# KiCad board Mynd_Main.kicad_pcb (continued)
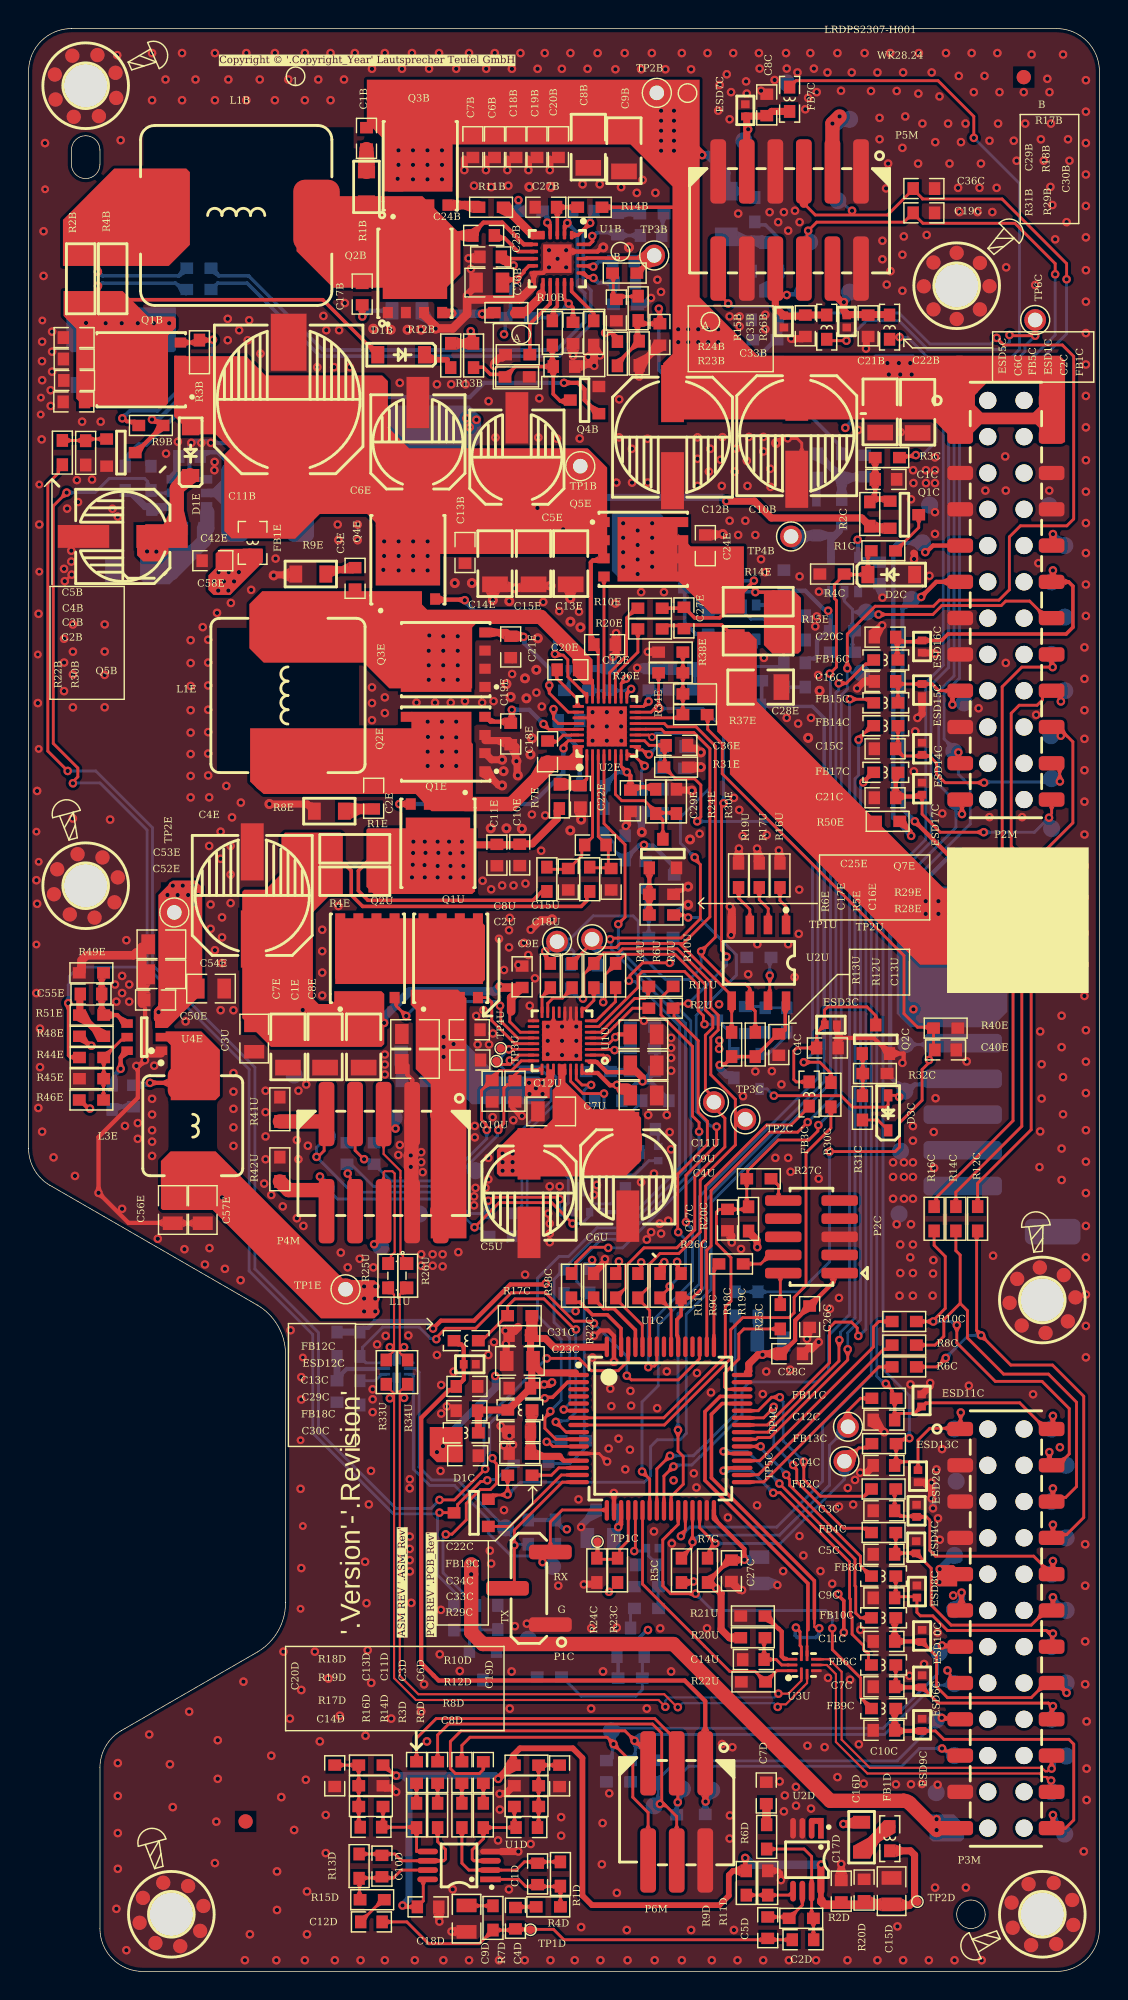
[diagram p0: board, top side]
## Routing (per net, layer and track width the routed paths; a pad name or vN(x,y) marks a point on that pad's centre or on a via; arc(x,y) is an arc through that point) (continued)
\ACOK: length 58.9
  Component Side w0.2: U2E.4 40.3,80.35 41.78,78.88 41.78,73.8 41.52,73.54 41.52,73.53 v1(41.3,73.31)
  Solder Side w0.2: v1(41.3,73.31) 41.31,73.3 41.31,71.61 46.38,66.53 46.38,55.96 41.67,51.25 40.1,51.25 38.4,49.55 38.4,48.28 38.89,47.79 38.89,46.5 38.92,46.47 38.92,37.23 R35C.1 38.92,37.07 38.92,36.57 37.9,35.55 D4C.A
\Amp_PDN_1: length 51.8
  Component Side w0.2: v1(58.46,83.23) 58.46,83.26 59.14,83.94 FB17C.1 ; v1(57.37,43.55) 57.37,42.81 51.93,37.37 51.07,37.37 50.95,37.25 U1C.39 ; 59.21,83.94 59.37,83.78
  Solder Side w0.2: v1(57.37,43.55) 57.37,44.71 58.26,45.6 58.26,82.93 58.46,83.13 v1(58.46,83.23)
\Amp_SwFlt_1: length 54.5
  Component Side w0.2: U1C.50 47.5,50.48 47.8,50.78 47.8,54.65 51.9,58.75 53.86,58.75 v1(54.56,59.45) ; 59.1,91.8 59.1,91.78 58.84,91.51 58.61,91.51 57.27,90.17 v1(56.74,90.17)
  Solder Side w0.2: v1(56.74,90.17) 56.74,89.7 56.54,89.5 56.54,61.43 v1(54.56,59.45)
\Amp_TwFlt_1: length 54.3
  Component Side w0.2: v1(56.79,44.19) 56.76,44.17 56.76,42.73 51.78,37.75 49.95,37.75 ; v1(58.13,86.22) 58.13,86.28 59.05,87.2 59.1,87.2
  Solder Side w0.2: v1(56.79,44.19) 56.86,44.27 56.86,44.74 57.88,45.76 57.88,83.48 58.13,83.73 v1(58.13,86.22)
\BT_RST: length 18
  Component Side w0.2: v1(72.7,19.5) 72.7,19.52 72.03,20.19 P3M.16 71.25,20.19 70.23,19.16 64.36,19.16 63.59,19.93 63.59,22.04 62.78,22.86 62.78,22.88 62.6,23.06 ESD10C.2
  Component Side w0.3: ESD10C.2 62.53,23.1 C11C.1 60.66,24.68 FB10C.2
  Solder Side w0.2: v1(72.7,19.5) 72.68,19.52 72.68,20.17 TP24M.1
\BTRST: length 18.7
  Component Side w0.2: v1(52.58,34.15) 57.88,28.85 57.88,26.99 57.93,26.94 57.93,25.08 58.26,24.75 FB10C.1 ; 49.95,36.25 48.83,36.25 v1(48.68,36.4)
  Solder Side w0.2: v1(52.58,34.15) 50.33,36.4 v1(48.68,36.4)
\P_Btn: length 7.5
  Component Side w0.5: 57.35,115.97 60.27,115.97 ; v1(57.1,116.85) 57.1,116.24 57.25,116.09 57.25,115.95 57.28,115.93 ESD1C.1 ; P5M.4 56.3,117.51 57.03,116.78
  Solder Side w0.5: v1(57.1,116.85) 57.1,116.88 57.31,117.09 57.31,117.17 57.5,117.36 TP50M.1
\P_Btn_1: length 12.4
  Component Side w0.2: v1(62.14,106.14) 62.05,106.05 61.08,106.05 ; v1(61,114.4) 60.45,114.4 60.3,114.55
  Solder Side w0.2: v1(61,114.4) 61.01,114.39 61.56,114.39 63.55,112.4 63.55,107.08 62.61,106.14 v1(62.14,106.14)
\PD_INT: length 58
  Component Side w0.2: 44.13,90.85 44.13,88.68 43.86,88.41 ; v1(44.9,47.95) 44.9,47.88 44.22,47.2 44.22,47.1 45,46.32 U1C.55 ; 43.86,88.41 43.6,88.15 U2E.15 ; 43.86,88.41 44.16,88.41 v1(44.18,88.4) ; v1(45.5,51.75) 45.46,51.79 45.46,55.81 47.54,57.89 47.54,59.51 46.9,60.15 46.9,65.15 45.21,66.84 45.21,67.36 R2U.1 45.44,67.73 46.18,67.73 v1(46.2,67.75) ; v1(48.68,81.78) 48.68,81.67 48.54,81.52 48.54,71.48 48.88,71.14 v1(48.88,71.03)
  Solder Side w0.2: v1(44.9,47.95) 46,49.05 46,51.25 v1(45.5,51.75) ; v1(46.2,67.75) 48.88,70.43 v1(48.88,71.03) ; v1(48.68,81.78) 48.68,86.96 47.24,88.4 v1(44.18,88.4)
\Plug_Det: length 54.5
  Component Side w0.3: 30.05,44.2 30.05,43.95 30.1,43.9 30.3,43.9 30.48,43.72 30.48,41.43 30.3,41.25 30.1,41.25 29.95,41.1 29.95,40.7 29.45,40.7 27.5,38.75 27.5,21.59 28.72,20.36 45.95,20.36 47.39,18.92 P6M.1 47.39,11.92 v1(47.42,11.89)
  Solder Side w0.3: C18C.1 47.39,11.87 v1(47.42,11.89) 47.84,12.32 TP62M.1
\Plug_Det_1: length 18.4
  Component Side w0.2: U1C.9 37.64,37.75 v1(36.92,38.47) ; 31.75,44.2 31.8,44.2 33.2,45.6 33.5,45.9 R17C.2 33.55,46.57 34.06,47.08 36.1,47.08 38.24,44.94 v1(38.34,44.94)
  Solder Side w0.2: v1(36.92,38.47) 37,38.55 37.71,38.55 38.32,39.15 38.32,44.92 v1(38.34,44.94)
\PRHOT: length 67.6
  Component Side w0.2: v6(43.67,86.4) 43.58,86.4 43.43,86.55 U2E.11 ; v1(40.73,72.25) 40.8,72.33 41.27,72.33 41.28,72.34 45.7,72.34 47.05,73.69 47.05,77.48 46.65,77.88 v1(46.65,77.98) ; v1(37.48,39.33) 37.54,39.27 38.51,39.27 U1C.6
  Solder Side w0.2: v6(43.67,86.4) 43.94,86.66 46.65,86.66 47.71,85.6 47.71,82.85 45.65,80.78 45.65,78.98 v1(46.65,77.98) ; v1(37.48,39.33) 37.48,39.34 37.9,39.76 37.9,44.35 36.8,45.45 36.8,48.45 37.15,48.8 37.2,48.8 37.5,49.1 R15C.2 ; 37.5,49.2 37.8,49.5 37.81,49.5 39.96,51.65 41.54,51.65 46,56.11 46,66.38 40.8,71.57 40.8,72.17 v1(40.73,72.25)
\UI_Int: length 7.4
  Component Side w0.2: v1(53.1,117.35) 52.74,117.35 52.3,117.79
  Component Side w0.5: 52.95,115.88 54.33,115.88 C6C.1 54.4,115.95 55.9,115.95 FB5C.2 ; 52.9,115.95 52.95,115.9 52.9,115.9 52.3,116.5 52.3,117.79
  Solder Side w0.2: 54.08,117.43 TP61M.1
  Solder Side w0.3: v1(53.1,117.35) 53.16,117.41 54.06,117.41 54.08,117.43
\UI_Int_1: length 119.6
  Component Side w0.2: v1(57.28,114.15) 56,114.15 FB5C.1 ; v1(70.5,114.5) 68.75,114.5 v1(68.7,114.55) ; 46,32.3 46,30.89 45.69,30.58 v1(45.69,30.47)
  Solder Side w0.2: 70.4,115.8 70.6,116 ; v1(45.69,30.47) 46.32,31.1 52.4,31.1 55.61,34.32 55.61,38.31 59.02,41.72 59.02,74.89 63.21,79.08 63.21,90.05 64.44,91.28 64.44,110.86 66.09,112.51 68.9,112.51 69.78,113.39 69.78,113.78 v1(70.5,114.5) TP6C.1 ; v1(57.28,114.15) 58.68,115.55 60.96,115.55 62.97,113.54 68.19,113.54 68.7,114.05 v1(68.7,114.55)
\UI_Rst: length 7.2
  Component Side w0.5: P5M.9 50.3,129.75 50.25,129.8 50.25,129.82 50.23,129.85 ESD7C.2 50.23,129.87 51.67,129.87 C8C.1 51.75,129.9 52.04,130.2 FB7C.2
  vias: v1(50.4,128.95)
\UI_Rst_1: length 120.5
  Component Side w0.2: v1(66.2,128.35) 66.2,129.85 63.7,132.35 53.75,132.35 53.65,132.25 53.6,132.25 53.3,131.95 FB7C.1 ; U1C.41 51.74,38.25 56.1,42.61 56.1,45.07 56.48,45.45 57.63,45.45 58.04,45.05 58.04,44.56 v1(58.11,44.49)
  Solder Side w0.2: v1(58.11,44.49) 58.18,44.49 58.64,44.95 58.64,75.05 62.83,79.24 62.83,90.21 64.06,91.44 64.06,111.11 65.9,112.95 68.8,112.95 69.4,113.55 69.4,125.15 v1(66.2,128.35)
Amp_BCLK: length 42
  Component Side w0.2: v1(72.3,88.9) 72.25,88.95 72.25,89.45 72.09,89.61 ; R14C.2 64.95,54.55 69.56,59.16 69.56,78.03 68.82,78.77 68.82,88.07 69.38,88.63 70.63,88.63 71.01,89.01 71.01,89.26 71.4,89.65 P2M.18
  Solder Side w0.2: TP41M.1 72.38,89.46 72.38,89.09 72.3,89.01 v1(72.3,88.9)
Amp_DATA: length 44.6
  Component Side w0.2: 63.72,53.37 63.72,53.23 R16C.2 63.57,53.68 63.57,54.17 68.95,59.55 68.95,77.57 68.19,78.33 68.19,89.92 69.56,91.3 v1(71.72,91.3) 71.65,91.37 P2M.16
Amp_LRCK: length 38.7
  Component Side w0.2: R12C.2 66.47,55.17 70.22,58.92 70.22,77.48 73.14,80.4 73.14,86.07 72.25,86.96 ; 72.25,86.96 72.25,86.96 72.25,86.55 v1(72.29,86.5) ; 72.25,86.96 72.02,87.19 ; P2M.20 71.89,87.11 72,87.22
  Solder Side w0.2: v1(72.29,86.5) 71.96,86.5 71.65,86.19 71.54,86.3
Amp_Ver: length 8.2
  Component Side w0.2: C16C.1 60.92,90.12 ESD15C.2 63.3,90.12 63.77,89.65 P2M.17 ; v1(64.7,88.67) 64.7,89.26 64.67,89.26 65.05,89.65 ; FB15C.2 60.89,90.15
  Solder Side w0.2: v1(64.7,88.67) 64.77,88.74 65.46,88.74 TP40M.1
Amp_Ver1: length 67.3
  Component Side w0.2: v1(45.17,35.34) 44.5,34.68 44.5,32.3 ; v1(57.52,89.06) 58.9,89.06 59.15,88.8
  Solder Side w0.2: v1(57.52,89.06) 57.5,89.04 57.5,45.98 56.02,44.5 56.02,42.07 55.22,41.27 50.51,41.27 49.97,40.72 49.97,38.94 47.07,36.04 47.04,36.04 46.45,35.45 45.27,35.45 v1(45.17,35.34)
BatVCC: length 27.9
  Component Side w0.3: R50E.2 61.07,80.51 61.76,79.81 61.76,79.55 v1(61.82,79.49) ; P2M.9 63.34,99.81 62.88,99.35 v1(62.8,99.35)
  Solder Side w0.3: 62.85,100.36 62.8,100.31 v1(62.8,99.35) ; TP25M.1 60.88,100 60.57,99.68 60.57,80.74 v1(61.82,79.49)
BT_BCLK: length 32.1
  Component Side w0.2: 71.74,32.98 v1(71.74,33.81) ; R14C.1 64.95,50.45 65.25,50.15 65.25,46.76 ; 71.74,32.89 72.03,33.18 72.64,33.18 73.39,33.94 73.39,39.85 71.43,41.81 68.29,41.81 65.75,44.35 65.75,46.26 65.25,46.76 ; 65.25,46.76 64.1,45.62 64.1,44.46 63.49,43.84 R8C.2
  Solder Side w0.2: P3M.6 71.7,32.94 71.7,33.76 v1(71.74,33.81)
BT_Ctrl_Pwr: length 16.9
  Component Side w0.2: 60.73,26.23 60.74,26.23 62.22,26.23 ; 60.73,26.23 C9C.1 ; 60.73,26.23 FB8C.2 ; v1(71.74,23.65) 71.74,22.82 P3M.14 71.65,23.49 71.27,23.86 64.36,23.86 63.33,24.89 62.46,24.89 62.22,25.13 ESD8C.2
  Solder Side w0.2: P3M.14 71.7,22.78 71.7,23.6 v1(71.74,23.65)
BT_Ctrl_Vreg: length 14.9
  Component Side w0.2: ESD6C.2 62.6,19.88 63.7,18.78 71.42,18.78 71.63,18.57 v1(71.74,18.57) ; P3M.18 71.65,18.35 ; C7C.1 60.73,20 FB6C.2
  Component Side w0.3: C7C.1 60.7,19.88 ESD6C.2
  Solder Side w0.2: v1(71.74,18.57) 71.7,18.52 71.7,17.7 P3M.18
BT_CtrlPwr: length 13.6
  Component Side w0.2: v1(53.06,34.76) 53.06,34.68 53.3,34.45 53.3,34.03 58.26,29.07 58.26,28.4 58.98,27.67 FB8C.1 ; U1C.38 v1(51.27,36.75)
  Solder Side w0.2: v1(51.27,36.75) 51.27,36.64 51.43,36.48 51.43,36.46 53.06,34.83 v1(53.06,34.76)
BT_CtrlVreg: length 20.5
  Component Side w0.2: 49.95,35.25 48.88,35.25 v1(48.68,35.05) ; v1(52.15,33.5) 52.17,33.51 52.65,33.51 57.5,28.66 57.5,26.12 57.55,26.07 57.55,24.92 57.68,24.8 57.68,23.61 58.48,22.81 58.48,22.54 58.64,22.37 58.7,22.37 58.82,22.25 58.82,21.6
  Solder Side w0.2: v1(52.15,33.5) 50.6,35.05 v1(48.68,35.05)
BT_DATA: length 28.9
  Component Side w0.2: R10C.2 v1(63.36,45.49) 63.36,45.57 64.2,46.41 64.2,50.05 63.42,50.83 R16C.1 ; v1(71.49,36.35) 71.49,35.59 P3M.4 71.88,35.66 72.32,35.66 72.89,36.22 72.89,39.4 70.98,41.3 67.71,41.3 65.01,44 v1(65.01,45.24)
  Solder Side w0.2: v1(63.36,45.49) 64.65,45.49 64.9,45.24 v1(65.01,45.24) ; 73.07,35.43 72.06,35.43 71.56,35.93 71.56,36.27 v1(71.49,36.35)
BT_LRCK: length 35.4
  Component Side w0.2: 66.77,44.53 66.77,44.47 68.79,42.45 71.71,42.45 73.9,40.26 73.9,31.78 72.7,30.58 72.15,30.58 71.79,30.21 P3M.8 71.74,30.44 v1(71.74,31.27) ; 66.4,51.77 66.4,44.86 66.71,44.55 v1(66.71,44.53) ; v1(64.23,42.94) 63.61,42.32 R6C.2
  Solder Side w0.2: v1(71.74,31.27) 71.7,31.22 71.7,30.6 72.1,30.2 ; v1(64.23,42.94) 65.82,44.53 v1(66.71,44.53)
BT_Ver: length 24.2
  Component Side w0.2: v1(71.74,10.95) 71.74,10.12 P3M.24 71.66,10.02 72.62,10.02 73.2,10.6 73.2,15.91 72.87,16.24 64.1,16.24 63.51,16.84 ESD9C.2
  Component Side w0.3: FB9C.2 60.66,18.33 C10C.1 60.7,16.84 ESD9C.2
  Solder Side w0.2: v1(71.74,10.95) 71.74,10.86 72.38,10.22 72.38,9.81 TP39M.1
BT_Ver1: length 26.1
  Component Side w0.2: v1(56.29,24.02) 56.29,22.53 58.28,20.54 58.28,19.16 58.68,18.75 58.68,18.7 58.98,18.4 FB9C.1 ; U1C.27 45.5,31.3 44.42,30.21 44.42,26.99 44.97,26.44 v1(46.72,26.44)
  Solder Side w0.2: v1(56.29,24.02) 56.29,24.81 55.84,25.26 47.9,25.26 v1(46.72,26.44)
BVcc: length 22.1
  Component Side w0.25: R31B.1 41.24,114.29 40.84,114.69 v1(40.38,114.69) ; U1B.9 35.05,119.39 34.69,119.03 34.69,118.94 v1(34.17,118.42) 33.37,118.42 33.17,118.22
  Mid Layer 2 w0.25: v1(33.3,114.6) 33.36,114.66 40.25,114.66 40.28,114.69 ; v1(34.17,118.42) 34.26,118.42 34.62,118.77 34.64,118.77 34.82,118.95 34.82,123.49 v1(34.31,123.99)
  Solder Side w0.25: v1(33.3,114.6) 33.38,114.68 33.38,115.77 33.48,115.77 33.76,116.04 33.76,117.91 34.17,118.32 v1(34.17,118.42) ; R20B.1 v1(34.31,123.99)
C_Open: length 60
  Component Side w0.2: v1(52.2,61.3) 56.9,61.3 57.7,60.5 60.04,60.5 60.2,60.66 D3C.A 61.14,61.33 61.17,61.3
  Component Side w0.3: v1(62.07,80.51) 64.36,78.22 v1(65.12,78.22) ; P2M.11 63.57,97.27 v1(62.51,96.21) 62.47,96.17
  Solder Side w0.2: v1(60.97,61.22) TP4M.1 ; P1M.4 64.24,62.48 63.99,62.24 ; v1(52.2,61.3) 51.72,61.78 D1U.A
  Solder Side w0.3: P1M.4 65.03,62.09 62.06,62.09 61.77,61.8 61.69,61.8 ; TP4M.1 60.34,62.64 60.34,73.91 64.65,78.22 v1(65.12,78.22) ; TP29M.1 61.2,95.41 61.2,81.38 v1(62.07,80.51)
COpen: length 22.2
  Component Side w0.2: R19C.2 46.49,47.15 47.12,47.78 47.12,50.97 47.42,51.27 47.42,54.97 51.7,59.25 53.4,59.25 54.67,60.52 FB3C.1
  Component Side w0.25: 45.7,47.15 45.7,45.93 45.41,45.63 45.41,44.54 45.46,44.49 45.46,44.36 45.5,44.31 U1C.54
COpen2: length 16.8
  Component Side w0.2: U1U.7 39.94,66.14 42.68,68.88 42.68,69.68 43,70 45.94,70 46.9,69.04 46.9,67.27 47.26,66.9 47.26,66.38 v1(47.34,66.3)
  Solder Side w0.2: R27U.1 49.1,64.55 49.1,64.8 49.1,65.75 48.25,66.6 Q3U.D 47.9,66.3 v1(47.34,66.3)
Ena_3V3_STB: length 121
  Component Side w0.2: v1(32.13,34.38) 32.05,34.3 31.67,34.3 30.05,32.68 30.05,32.35 D1C.3 29.78,32.12 v1(28.78,32.12) ; 3.56,64 2.9,64 2.78,64.12 v1(2.78,67.78) ; v1(3.11,83.17) 3.11,83.28 3.45,83.62 3.45,84.24 1.73,85.96 1.73,102.58 v1(2.67,103.52)
  Solder Side w0.2: U3E.5 8.82,103.49 8.34,103.97 8.34,104.3 8.12,104.51 5.65,104.51 4.66,103.52 v1(2.67,103.52) ; v1(3.11,83.17) 3.13,83.2 5,83.2 8.3,79.9 8.3,70.3 ; 8.3,70.3 15.45,63.15 15.45,49.03 19.9,44.59 19.9,37.69 25.56,32.03 28.59,32.03 28.67,32.12 v1(28.78,32.12) 28.64,31.98 28.64,27.75 30,26.39 30,25.81 R40C.1 ; 8.3,70.3 3.5,70.3 2.86,69.66 2.86,69.13 2.78,69.06 v1(2.78,67.78) ; v1(32.13,34.38) 32.18,34.43 32.73,34.43 33.85,35.55 D4C.K
Ena_BatADC: length 23.2
  Component Side w0.2: v1(29.22,30.59) 29.23,30.61 29.65,30.61 30.65,31.61 30.65,32.75 31.63,33.73 32.34,33.73 32.77,34.15 32.77,35.53 32.48,35.82 v1(32.48,35.93)
  Component Side w0.25: v1(36.15,40.12) 36.21,40.19 36.7,40.19 37.75,41.24 38.52,41.24 U1C.2
  Solder Side w0.2: v1(29.22,30.59) 29.22,30.48 29.03,30.29 29.03,27.9 30.97,25.96 31.02,25.96 31.32,25.66 R39C.1 ; v1(36.15,40.12) 34.07,40.12 32.3,38.35 32.3,36.22
Env_Track: length 19.2
  Component Side w0.2: P2M.14 71.31,94.73 70.11,95.92 68.43,95.92 68.12,95.61 63.96,95.61 63.33,94.98 v1(59.53,94.98)
  Solder Side w0.2: 57.7,92.43 57.7,95.15 ; 57.7,95.15 57.7,95.35 57.13,95.93 57.13,96.78 ; 57.7,95.15 TP34M.1 ; 58.86,94.98 v1(59.53,94.98)
Hold_ON: length 7.8
  Component Side w0.2: U1C.15 37.31,34.75 36.72,34.15 33.71,31.15 D1C.1
HW_REV: length 6.3
  Component Side w0.2: TP1C.1 39.85,28.88 39.88,28.85 41.25,28.85 ; R23C.2 41.4,29.08 41.4,29.56 42,30.16 U1C.20
I2C1_SCL: length 44.2
  Component Side w0.2: v1(38.83,68.1) 38.89,68.16 38.89,69.81 39.59,70.51 R7U.1 39.59,70.61 40.27,71.29 41.31,71.29 41.6,71.58 45.43,71.58 47.78,69.23 47.78,67.46 48.3,66.94 48.3,65.9 47.78,65.38 47.78,62.77 49.5,61.05 49.5,57.85 47.04,55.39 47.04,51.75 45.54,50.25 44.22,50.25 43.48,49.51 43.48,47.96 R9C.2 42.67,47.1 43.5,46.27 U1C.58
  Solder Side w0.2: v1(38.83,68.1) 38.75,68.17 38.51,68.17 37.96,68.72 R23U.1
I2C1_SDA: length 42.9
  Component Side w0.2: v1(40.25,67.85) 40.32,67.92 40.32,68.11 40.37,68.16 40.37,69.77 41.11,70.51 R10U.1 41.75,71.2 45.27,71.2 47.4,69.07 47.4,67.3 47.92,66.78 47.92,66.06 47.4,65.54 47.4,61.75 47.73,61.42 47.73,61.03 ; U1C.59 42.98,43.74 42.98,45.24 41.12,47.1 R11C.2 41.83,47.85 41.83,49.37 43.1,50.65 45.4,50.65 46.66,51.91 46.66,55.61 48.77,57.72 48.77,59.72 48,60.49 TP3C.1
  Solder Side w0.2: R24U.1 40.14,68.43 40.14,68.06 40.25,67.95 v1(40.25,67.85)
intBat: length 73.7
  Component Side w0.25: 48.88,93.12 48.88,93.37 ; 44.64,94.22 45.59,94.22 45.62,94.25 48.55,94.25 49.5,93.3 R15E.1 ; v1(56.72,26.43) 56.72,26.33 57.1,25.95 v1(57.1,23.73)
  Mid Layer 2 w0.25: v1(62.83,74.03) v1(63.72,74.03) ; v1(61.97,67.35) 62.46,66.86 62.46,59.5 62.54,59.42 62.54,30.7 58.26,26.43 v1(56.72,26.43) ; v1(43.38,23.9) 44.33,22.95 56.21,22.95 57,23.73 v1(57.1,23.73)
  Solder Side w0.25: v1(43.38,23.9) 43.3,23.9 42.69,23.28 41.66,23.28 41.21,22.83 Q3C.S 41.29,21.96 R36C.2 41.24,20.53 40.97,20.81
  vias: v1(62.83,74.92) v1(63.72,74.92) v1(64.48,74.92) v1(64.48,74.03) v1(65.25,74.92) v1(65.25,74.03) v1(66.01,74.92) v1(66.01,74.03) v1(66.77,74.92) v1(66.77,74.03)
LDO_1V5: length 3.1
  Component Side w0.2: U1U.4 40.64,64.94 v1(41.1,65.4)
  Component Side w0.3: 42.16,65.59 41.29,65.59 v1(41.1,65.4)
LDO_3V3: length 63.3
  Component Side w0.2: 39.28,63.66 U1U.1
  Component Side w0.25: 53,67.82 53,65.91 52.45,65.36 52.21,65.36 51.22,64.36 51.17,64.36 50.89,64.09 R12U.2 49.24,64.04 49.24,64.03 ; v1(48.4,63.45) 48.47,63.52 48.77,63.52 49.24,63.98 R13U.2
  Component Side w0.3: v1(28.33,45) 28.88,45.55 31.2,45.55 33.74,48.09 36.16,48.09 v1(36.22,48.14) ; C9U.2 42.14,63.27 41.82,62.95 40.5,62.95 39.79,63.66 39.28,63.66
  Component Side w0.5: v1(43,62.3) 42.98,62.32 42.98,62.58 C9U.2
  Mid Layer 2 w0.3: v1(36.22,48.14) 39.14,51.07 ; 39.14,51.07 39.42,51.34 ; 39.14,51.07 39.44,51.07 ; 39.42,51.34 39.46,51.3 39.46,49.81 v1(39.47,49.8) ; 39.42,51.34 42,53.92 42,60.3 43,61.3 43,62.3 v1(43,62.3)
  Mid Layer 2 w0.5: 43,62.3 v1(43,62.3) 47.25,62.3 v1(48.4,63.45)
  Solder Side w0.3: 23.2,44.8 23.45,45.05 23.78,45.05 24.26,45.53 27.79,45.53 v1(28.32,45) ; v1(43,62.3) 42.95,62.25 42.62,62.25 41.8,61.43 41.8,61.2 Q5U.S ; R13C.1 39.41,49.31 39.41,49.74 v1(39.47,49.8) ; 43.06,62.25 43.6,62.25 44.85,61 Q4U.S ; 43.95,63 43.95,64.6
  Solder Side w0.5: v1(43,62.3) 43.02,62.32 43.12,62.32 43.8,63 R5U.1 43.95,63 ; R28U.1 23.15,44.75 23.2,44.8 ; R27U.2 49.4,62.6 49.25,62.75 48.88,62.75 48.42,63.21 48.42,63.43 v1(48.4,63.45)
Line_L_N: length 47.9
  Component Side w0.2: C6D.2 31.85,14.13 31.58,13.85 29.89,13.85 29.54,14.2 29.54,16.09 30.29,16.84 41.77,16.84 43.39,15.22 P6M.5 ; P3M.15 64.93,20.19 64.54,20.58 64.54,20.78
  Solder Side w0.2: 42.49,14.92 42.49,16.02 42.79,16.32 ; 42.97,16.59 59.96,16.59 63.4,20.03 64.74,20.03 TP23M.1 64.85,20.41 64.56,20.7 64.56,20.76 64.36,20.96 v1(64.36,21.07) ; v1(42.44,16.14) 42.69,16.39
Line_L_P: length 51.7
  Component Side w0.2: C3D.2 30.35,15.83 30.92,16.39 40.52,16.39 40.97,15.94 v1(40.97,15.92) 42.32,14.57 42.32,12.19 43.39,11.12 P6M.6 ; v1(63.97,22.82) 64.01,22.77 65.21,22.77 P3M.13
  Solder Side w0.2: v1(40.97,15.92) 40.97,16.7 41.28,17.02 41.52,17.02 59.85,17.02 63.65,20.83 63.65,21.97 63.97,22.28 v1(63.97,22.82) ; v1(40.97,15.92) 40.89,15.84 40.89,14.92 ; v1(40.97,15.92) 40.89,15.99 40.89,16.47 ; TP67M.1 40.89,16.77
Line_R_N: length 49.8
  Component Side w0.2: P3M.19 64.94,15.42 64.27,15.42 64.08,15.61 v1(63.98,15.61) ; C13D.2 27.17,16.33 28.55,17.7 43.85,17.7 44.86,16.7 44.87,16.7 45.47,16.1 v1(45.47,11.84)
  Solder Side w0.2: TP64M.1 45.79,13.92 46.24,14.36 61.15,14.36 62.39,15.61 v1(63.98,15.61) ; TP31M.1 64.58,15.11 64.08,15.61 ; C24D.1 45.39,11.77 v1(45.47,11.84) 45.47,11.99 46.02,12.54
Line_R_P: length 52.3
  Component Side w0.2: C11D.2 28.65,16.55 29.42,17.32 43.7,17.32 44.34,16.67 44.34,11.94 44.32,11.92 45.39,10.84 P6M.4 ; v1(63.96,17.75) 64.01,17.7 65.2,17.7 P3M.17
  Solder Side w0.2: C23D.1 43.92,13.27 44.22,13.57 45.39,14.74 60.84,14.74 63.85,17.75 v1(63.96,17.75) ; 44.09,13.17 44.09,11.84 v1(44.22,11.72)
M_DET: length 26.6
  Component Side w0.2: v1(46.96,58.79) 46.96,59.42 46.5,59.88 46.5,64.75 44.29,66.96 44.29,68.15 45.09,68.95 R11U.2 ; v1(40.6,50.65) 40.56,50.69 39.39,50.69 38.33,49.62 38.33,49.15 R28C.2
  Solder Side w0.2: 40.61,50.65 41.61,50.65 46.96,56 v1(46.96,58.79)
MCU_RST: length 132.2
  Component Side w0.2: v1(57.34,91.22) 57.34,93.62 59.29,95.56 63.38,95.56 63.8,95.99 67.96,95.99 68.69,96.72 68.69,100.42 69.47,101.19 72.72,101.19 73.2,101.67 73.2,113.05 72.4,113.85 68.3,113.85 v1(67.8,114.35) ; P5M.12 48.42,119.08 48.42,117.35 49,116.77 v1(49,116.75) ; U1C.7 44.49,38.75 48.8,43.06 48.8,46.52 49.19,46.92 49.19,49.97 48.18,50.98 48.18,53.16 48.37,53.35 C17C.1 50.24,53.35 R20C.1 50.3,53.65 R27C.1 50.37,55.56 50.37,56.07 52.5,58.2 54.65,58.2 55.28,58.83 55.28,59.21 v1(55.32,59.24)
  Solder Side w0.2: v1(67.8,114.35) 67.37,113.92 63.13,113.92 60.96,116.09 53.55,116.09 53.09,116.55 49.31,116.55 49.11,116.75 v1(49,116.75) ; v1(55.32,59.24) 56.92,60.85 56.92,89.34 57.34,89.76 v1(57.34,91.22) 57.67,90.89 TP68M.1
MCU_RX: length 17.4
  Component Side w0.2: 62.19,31.87 61.04,31.87 C3C.1 60.66,33.69 ; v1(71.74,28.73) 71.74,27.9 P3M.10 70.39,29.07 63.52,29.07 63.12,29.47 63.12,31.59 62.89,31.82 ESD2C.2
  Solder Side w0.2: v1(71.74,28.73) 71.7,28.68 71.7,27.86 P3M.10
MCU_TX: length 19.2
  Component Side w0.2: 60.73,29.28 FB4C.2 ; 60.73,29.28 60.74,29.28 62.17,29.28 ; 60.73,29.28 C5C.1 ; v1(71.74,26.19) 71.74,25.36 P3M.12 71.25,25.27 70.22,24.24 64.61,24.24 63.22,25.64 63.22,28.22 ESD4C.2
  Solder Side w0.2: 73.07,25.27 72.88,25.46 72.47,25.46 v1(71.74,26.19)
MCU_WkUp: length 86.6
  Component Side w0.2: R29C.2 33.55,34.72 v1(33.55,33.38) 33.52,33.35 32.5,33.35 D1C.2 ; R4C.2 57.16,97.78 D2C.K 58.78,99.21 R1C.1 ; v1(56.12,90.84) 56.58,91.31 56.58,95.97 56.43,96.11 56.43,97.07 57.14,97.78 57.14,97.78
  Solder Side w0.2: v1(33.55,33.38) 33.59,33.38 34.45,34.24 43.12,34.24 43.57,34.69 43.57,36.74 44.04,37.22 45.62,37.22 46.06,37.66 46.06,46.02 47.8,47.75 47.8,53.82 56.16,62.18 56.16,90.8 v1(56.12,90.84)
NetC1B_2: length 1.6
  Component Side w1: R1B.2 C1B.2
NetC1C_1: length 4.1
  Component Side w0.3: R3C.1 59.29,104.45 C1C.1 59.3,103.08 60.02,103.08 60.22,102.89 60.22,102.87 60.29,102.87 Q1C.G
NetC1D_1: length 5.8
  Component Side w0.2: 33.12,6.45 34.33,6.45 34.83,5.95 37.23,5.95 37.25,5.97 R4D.2
NetC1D_2: length 10.4
  Component Side w0.2: 31.78,7.1 U1D.2 ; 31.78,7.1 U1D.2 ; 31.78,7.1 30.83,7.1 30.35,7.58 30.35,10.07 ; U1D.2 34.15,7.1 34.73,7.67 37.25,7.67
NetC1U_2: length 1.8
  Solder Side w0.5: R1U.2 26.12,62.33 26.12,64.09 C1U.2
NetC2B_2: length 40.5
  Component Side w0.25: C5B.1 4.8,114.37 Q1B.5 ; C5B.1 3.92,114.35 C2B.2 ; C5B.1 4.03,114.46 v1(4.03,115.39) ; 4.75,117.08 4.89,117.23 4.86,117.26 v1(4.86,117.98) ; D1B.A 20.61,117.02 5.47,117.02 ; 4.19,111.43 4.19,114.35 ; v1(8.78,115.38) v1(9.85,115.38) ; 4.2,109.95 4.2,111.43
  Solder Side w0.25: 11.08,117.45 11.03,117.45 10.29,118.18 5.16,118.18 4.96,117.98 v1(4.86,117.98)
  vias: v1(5.4,115.38) v1(6.53,115.38) v1(7.65,115.38)
NetC2D_1: length 9.3
  Component Side w0.2: R6D.1 54.32,8.57 54.84,8.04 U2D.7 54.84,3.84 R2D.2 54.97,2.24 C2D.1
NetC2D_2: length 30
  Component Side w0.2: 51.77,2.22 37.49,2.22 36.77,2.95 34.13,2.95 34.08,2.9 R7D.1 31.57,1.94 28.02,1.94 26.49,3.47 C12D.1 ; 51.82,2.22 C2D.2
NetC2E_1: length 2.1
  Component Side w0.7: R8E.1 22.12,81.27 22.22,81.37 C2E.1
NetC2E_2: length 10.3
  Component Side w0.2: 38.2,84.6 38.5,84.9 U2E.32
  Component Side w1: Q1E.1 33.82,81.72 36.35,84.25 C18E.1 ; 36.35,84.6 38.2,84.6
  vias: v1(27.95,87.48) v1(27.97,86.42) v1(27.95,85.38) v1(27.95,84.38) v1(28.95,87.48) v1(28.95,86.38) v1(28.95,85.38) v1(28.95,84.38) v1(29.95,87.48) v1(29.95,86.38) v1(29.95,85.38) v1(29.95,84.38)
NetC3D_1: length 1.4
  Component Side w0.2: 30.35,11.77 30.35,13.12
NetC3E_1: length 2.3
  Component Side w0.5: R9E.1 20.82,97.92 21.02,98.12 22.72,98.12 C3E.1
NetC3E_2: length 28.5
  Component Side w0.2: 38.57,91.12 38.57,91.74 ; U2E.23 39.5,90.37 38.87,91
  Component Side w0.5: 26.55,93.11 26.37,92.93 19.74,92.93 ; 25.76,96.2 27.03,96.2
  Component Side w0.7: 28.66,92.48 28.31,92.13 26.84,92.13
  Component Side w1: 30.48,93.63 26.97,93.63 ; 27.62,93.67 27.06,93.11 26.55,93.11 ; 30.36,93.26 30.52,93.42 30.52,94.23 31.1,94.82 35.87,94.82 38.57,92.12 38.57,91.74
  vias: v1(28.03,92.45) v1(28.03,91.43) v1(28.03,90.41) v1(28.07,93.52) v1(29.04,93.46) v1(29.04,92.45) v1(29.04,91.43) v1(29.04,90.41) v1(30.06,93.46) v1(30.06,92.45) v1(30.06,91.43) v1(30.06,90.41)
NetC4C_1: length 12.3
  Component Side w0.2: FB3C.2 53.76,62.27 53.59,62.43 53.59,64.44 53.79,64.64 C4C.1 55.2,65.7 ESD3C.2 55.74,66.29 55.74,67.29 55.97,67.52 58.72,67.52 59.34,66.9 Q2C.D
NetC4D_2: length 1.5
  Component Side w0.2: 34.1,4.52 R4D.1
NetC5D_1: length 3.8
  Component Side w0.2: U2D.6 54.19,4.64 R2D.1 53.17,3.81 51.82,3.81
NetC6D_1: length 1.4
  Component Side w0.2: 31.85,11.77 31.85,13.12
NetC7D_1: length 1.5
  Component Side w0.6: R6D.2 51.68,10.28 51.68,11.73 C7D.1
NetC8D_1: length 5.8
  Component Side w0.2: 35.7,10.07 35.72,10.09 R10D.2 35.73,14.44 C19D.1
NetC8D_2: length 7.5
  Component Side w0.2: 31.85,10.07 34.03,10.07 ; U1D.3 31.19,7.75 31.07,7.86 31.07,8.51 31.85,9.28 R5D.2 ; 34.1,10.07 34.03,10.15 R8D.2
NetC9D_1: length 1.8
  Component Side w0.2: 30.68,4.6 R7D.2
NetC10D_1: length 5.8
  Component Side w0.2: 23.18,5.02 23.18,6.5 23.15,6.52 23.18,6.55 25.55,6.55 26.1,7.1 27.18,7.1
NetC10D_2: length 8.7
  Component Side w0.2: R14D.2 28.65,9.08 29.2,8.54 29.2,7.86 29.08,7.75 U1D.6 27.18,7.75 26.13,7.75 25.65,8.22 23.15,8.22
NetC11D_1: length 1.4
  Component Side w0.2: 28.65,11.77 28.65,13.12
NetC12D_2: length 2.3
  Component Side w0.2: C12D.2 23.26,3.48 24.81,5.02 R15D.1
NetC13D_1: length 1.4
  Component Side w0.2: 27.17,13.12 R16D.1
NetC14D_1: length 6.1
  Component Side w0.2: C20D.1 23.12,14.44 R18D.2 23.13,10.15 23.18,10.1
NetC14D_2: length 5.6
  Component Side w0.2: 27.18,8.4 27.17,8.4 R16D.2 27.15,10.1 24.78,10.1 24.83,10.15 R17D.2
NetC14U_1: length 3.4
  Component Side w0.2: 53.24,21.45 52.75,21.45 52.37,21.83 C14U.1 51.51,23.29 R20U.2
NetC16E_2: length 9.3
  Component Side w0.2: 39.48,77.25 40.6,77.25 40.6,78.69 C25E.1 ; U2E.3 39.9,79.45 40.15,79.2 40.15,79.2 40.5,78.85
NetC17B_1: length 13.2
  Component Side w0.3: 23.81,118.21 23.92,118.32 23.92,120.37 23.46,120.83 22.31,120.83 20.89,122.25 20.89,122.36 ; 29.34,121.57 29.39,121.52 ; 31.22,121.42 31.39,121.59 31.39,121.94 31.86,122.42 33.17,122.42 34.69,120.89 35.23,120.89
  Component Side w0.6: 29.39,121.52 C24B.1
NetC17B_2: length 3.1
  Component Side w0.3: v1(23.38,115.84) 23.37,115.85 C17B.2
  Solder Side w0.3: R7B.2 23.86,116.24 23.46,115.84 v1(23.38,115.84)
NetC17E_2: length 10.1
  Component Side w0.2: R6E.2 36.45,77.15 37.45,77.15 37.6,77.3 37.6,77.35 ; 38.75,78.85 38.75,78.1 37.85,77.2 C17E.2 ; U2E.2 39.5,79.4 39.3,79.2 39.25,79.2 38.95,78.9 C25E.2
NetC18E_2: length 2.4
  Component Side w0.2: C18E.2 36.4,86.08 36.98,86.08 37.44,86.54 38.01,86.54 38.02,86.55 U2E.30
